# Altium PCB MODULE_4x100_RJ45_V1.0.PcbDoc (part 2 of 2) (continued)
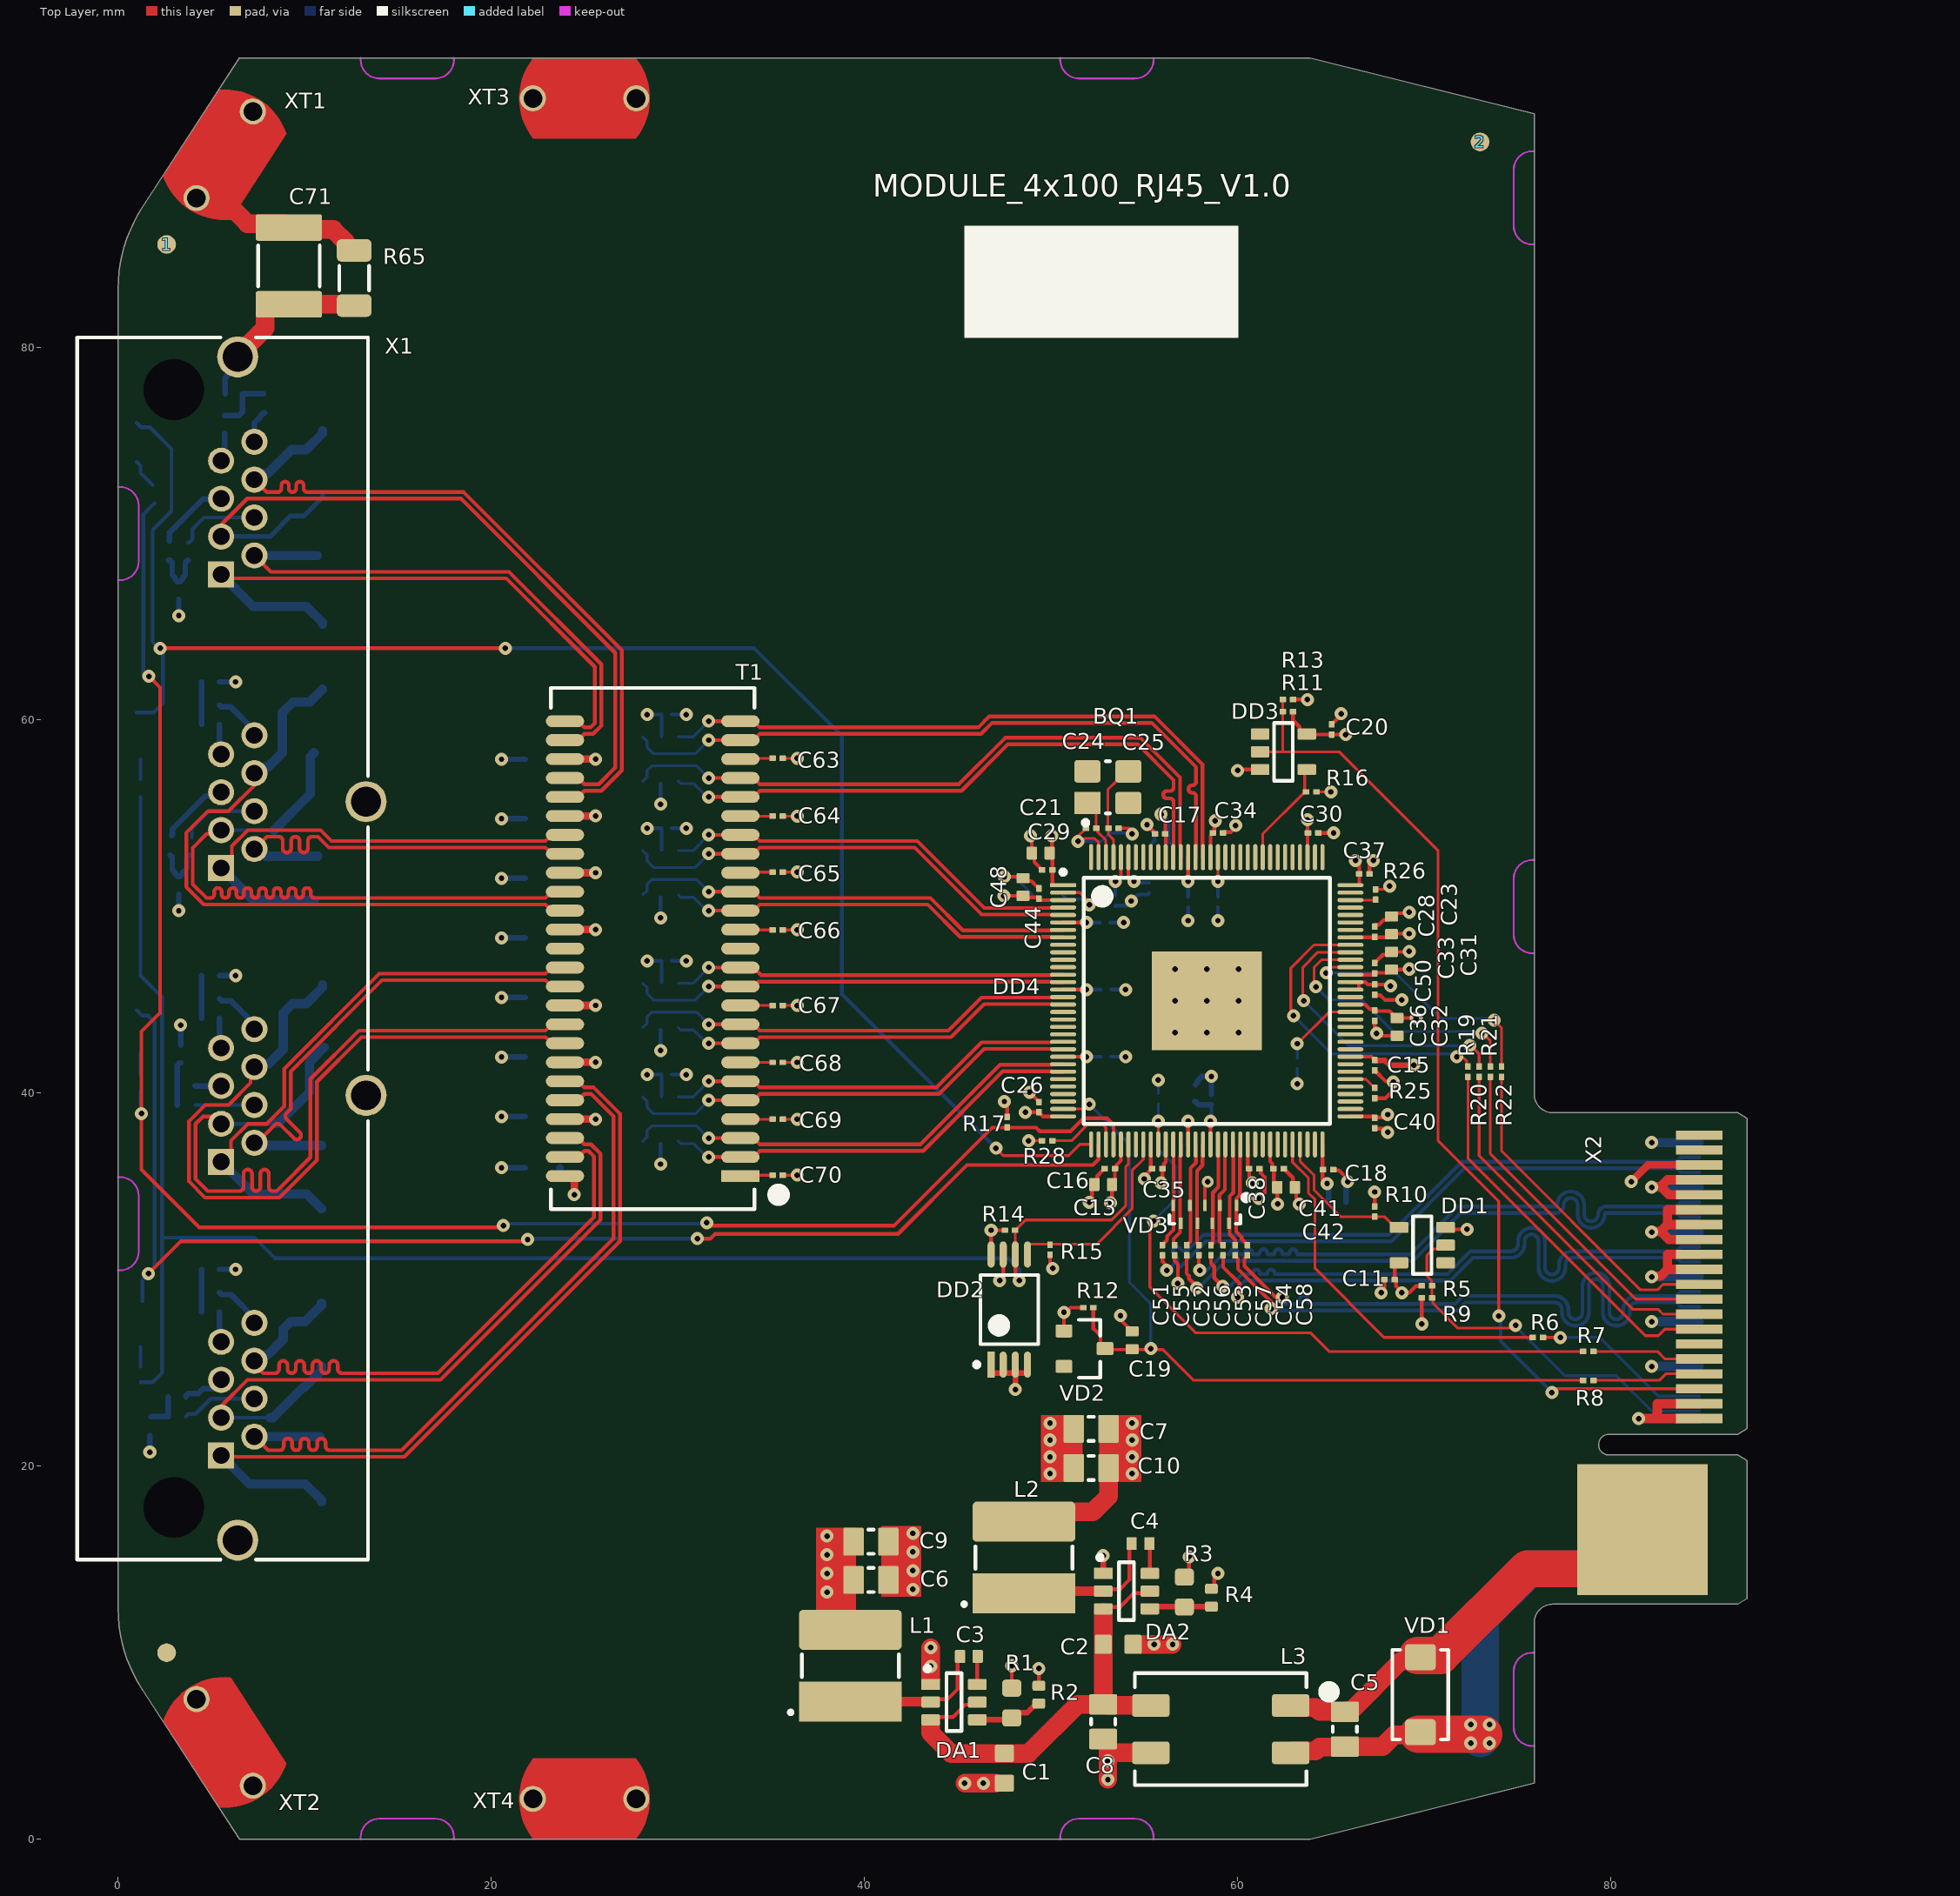
[diagram p0: Top Layer view]
## Nets (pads, with @x,y where several pads share a name; then routed paths per layer and width w, separated by ;. In a path a pad name is that pad's centre, name@x,y a point inside that pad or via, vN(x,y) a via of type N, cw(c..) or ccw(c..) an arc to the next point about the centre after c; other vN are vias at no path point) (continued)
  Bottom Layer w0.15: VD4.4@28.125,59.096 28.35,58.871 28.35,58.546 28.7,58.196 30.928,58.196 v1(31.658,58.926)
PORT0_TX_P: DD4.113 T1.25 VD4.6 | length 34.9
  Top Layer w0.199: v1(31.658,59.942) T1.25@33.35,59.942 34.058,59.942 34.392,59.608 46.108,59.608 46.7,60.2 55.542,60.2 58.124,57.618 58.124,53.82 58.124,53.272 58.15,53.246 DD4.113@58.15,52.65
  Bottom Layer w0.15: VD4.6@30.025,59.096 30.812,59.096 v1(31.658,59.942)
PORT1_RD_N: T1.30 VD9.1 X1.A6 | length 40.1
  Top Layer w0.199: X1.A6@7.301,72.89 7.969,72.222 8.55,72.222 ccw(c8.55,72.421) 8.749,72.421 8.749,72.583 cw(c8.948,72.583) 8.948,72.782 cw(c8.948,72.583) 9.147,72.583 9.147,72.421 ccw(c9.346,72.421) 9.346,72.222 ccw(c9.346,72.421) 9.545,72.421 9.545,72.583 cw(c9.744,72.583) 9.744,72.782 cw(c9.744,72.583) 9.943,72.583 9.943,72.421 ccw(c10.142,72.421) 10.142,72.222 10.341,72.222 10.54,72.222 10.938,72.222 18.52,72.222 26.998,63.744 26.998,57.306 25.904,56.212 25.157,56.212 ; T1.30@23.95,55.878 24.658,55.878 24.992,56.212 ; 24.992,56.212 25.157,56.212 ; 24.992,56.212 25.157,56.212
  Bottom Layer w0.5: X1.A6@7.301,72.89 7.545,72.89 7.876,73.221 8.021,73.221 9.3,74.5 10.077,74.5 10.95,75.373 VD9.1@10.95,75.5
PORT1_RD_P: T1.29 VD9.2 X1.A3 | length 41.8
  Top Layer w0.199: X1.A3@5.55,69.65 5.55,70.5 6.924,71.874 18.376,71.874 26.65,63.6 26.65,57.45 25.76,56.56 25.301,56.56 24.992,56.56 24.658,56.894 T1.29@23.95,56.894
  Bottom Layer w0.25: X1.A3@5.521,69.842 8.142,69.842 9.25,70.95 9.962,70.95 10.95,71.938 VD9.2@10.95,72.1
PORT1_RX_N: DD4.8 T1.15 VD5.1 | length 21.8
  Top Layer w0.199: v1(31.658,49.782) T1.15@33.35,49.782 34.058,49.782 34.392,50.116 43.392,50.116 45.132,48.376 49.474,48.376 50.028,48.376 50.054,48.35 DD4.8@50.65,48.35
  Bottom Layer w0.15: VD5.1@30.025,50.628 30.153,50.5 30.85,50.5 v1@31.613,49.737
PORT1_RX_P: DD4.7 T1.16 VD5.3 | length 24.2
  Top Layer w0.199: v1(31.658,50.798) T1.16@33.35,50.798 34.058,50.798 34.392,50.464 43.536,50.464 45.276,48.724 49.33,48.724 50.028,48.724 50.054,48.75 DD4.7@50.65,48.75
  Bottom Layer w0.15: VD5.3@28.125,50.628 28.35,50.853 28.35,51.2 28.6,51.45 31.006,51.45 v1(31.658,50.798)
PORT1_TD_N: T1.27 VD8.1 X1.A2 | length 29.9
  Top Layer w0.199: X1.A2@7.301,68.826 8.179,67.948 20.944,67.948 25.898,62.994 25.898,59.698 25.46,59.26 24.992,59.26 24.658,58.926 T1.27@23.95,58.926
  Bottom Layer w0.5: X1.A2@7.301,68.826 VD8.1@10.674,68.826
PORT1_TD_P: T1.26 VD8.2 X1.A1 | length 33.3
  Top Layer w0.199: X1.A1@5.65,67.6 20.8,67.6 25.55,62.85 25.55,59.842 25.316,59.608 24.992,59.608 24.658,59.942 T1.26@23.95,59.942
  Bottom Layer w0.5: X1.A1@5.521,67.81 7.231,66.1 10.077,66.1 10.95,65.227 VD8.2@10.95,65.15
PORT1_TX_N: DD4.5 T1.18 VD5.4 | length 25
  Top Layer w0.199: v1(31.658,52.83) T1.18@33.35,52.83 34.058,52.83 34.392,53.164 42.694,53.164 46.282,49.576 49.449,49.576 50.028,49.576 50.054,49.55 DD4.5@50.65,49.55
  Bottom Layer w0.15: VD5.4@28.125,53 28.35,52.775 28.35,52.45 28.7,52.1 30.928,52.1 v1(31.658,52.83)
PORT1_TX_P: DD4.4 T1.19 VD5.6 | length 22.6
  Top Layer w0.199: v1(31.658,53.846) T1.19@33.35,53.846 34.058,53.846 34.392,53.512 42.838,53.512 46.426,49.924 49.305,49.924 50.028,49.924 50.054,49.95 DD4.4@50.65,49.95
  Bottom Layer w0.15: VD5.6@30.025,53 30.812,53 v1(31.658,53.846)
PORT2_RD_N: T1.36 VD11.1 X1.B6 | length 35.8
  Top Layer w0.199: X1.B6@7.301,57.15 7.301,56.501 5.918,55.118 4.818,55.118 3.652,53.952 3.652,51.056 4.592,50.116 22.908,50.116 23.242,49.782 T1.36@23.95,49.782
  Bottom Layer w0.5: X1.B6@7.301,57.15 7.545,57.15 7.871,57.476 8.026,57.476 8.8,58.25 8.8,60.4 9.368,60.968 10.268,60.968 VD11.1@10.95,61.65
PORT2_RD_P: T1.35 VD11.2 X1.B3 | length 36.9
  Top Layer w0.199: X1.B3@5.3,53.9 4.75,53.9 4,53.15 4,51.2 4.736,50.464 4.95,50.464 ccw(c4.95,50.663) 5.149,50.663 5.149,50.802 cw(c5.348,50.802) 5.348,51.001 cw(c5.348,50.802) 5.547,50.802 5.547,50.663 ccw(c5.746,50.663) 5.746,50.464 ccw(c5.746,50.663) 5.945,50.663 5.945,50.802 cw(c6.144,50.802) 6.144,51.001 cw(c6.144,50.802) 6.343,50.802 6.343,50.663 ccw(c6.542,50.663) 6.542,50.464 ccw(c6.542,50.663) 6.741,50.663 6.741,50.802 cw(c6.94,50.802) 6.94,51.001 cw(c6.94,50.802) 7.139,50.802 7.139,50.663 ccw(c7.338,50.663) 7.338,50.464 ccw(c7.338,50.663) 7.537,50.663 7.537,50.802 cw(c7.736,50.802) 7.736,51.001 cw(c7.736,50.802) 7.935,50.802 7.935,50.663 ccw(c8.134,50.663) 8.134,50.464 ccw(c8.134,50.663) 8.333,50.663 8.333,50.802 cw(c8.532,50.802) 8.532,51.001 cw(c8.532,50.802) 8.731,50.802 8.731,50.663 ccw(c8.93,50.663) 8.93,50.464 ccw(c8.93,50.663) 9.129,50.663 9.129,50.802 cw(c9.328,50.802) 9.328,51.001 cw(c9.328,50.802) 9.527,50.802 9.527,50.663 ccw(c9.726,50.663) 9.726,50.464 ccw(c9.726,50.663) 9.925,50.663 9.925,50.802 cw(c10.124,50.802) 10.124,51.001 cw(c10.124,50.802) 10.323,50.802 10.323,50.663 ccw(c10.522,50.663) 10.522,50.464 10.7,50.464 22.908,50.464 23.242,50.798 T1.35@23.95,50.798
  Bottom Layer w0.2: X1.B3@5.521,54.102 8.352,54.102
  Bottom Layer w0.5: 8.352,54.102 10.3,56.05 10.3,58.05 VD11.2@10.5,58.25
PORT2_RX_N: DD4.17 T1.8 VD6.1 | length 21.8
  Top Layer w0.199: v1(31.658,42.67) T1.8@33.35,42.67 34.058,42.67 34.392,43.004 44.646,43.004 46.418,44.776 49.349,44.776 50.028,44.776 50.054,44.75 DD4.17@50.65,44.75
  Bottom Layer w0.15: VD6.1@30.025,43.516 30.153,43.388 30.85,43.388 v1@31.613,42.625
PORT2_RX_P: DD4.16 T1.9 VD6.3 | length 24.2
  Top Layer w0.199: v1(31.658,43.686) T1.9@33.35,43.686 34.058,43.686 34.392,43.352 44.502,43.352 46.274,45.124 49.205,45.124 50.028,45.124 50.054,45.15 DD4.16@50.65,45.15
  Bottom Layer w0.15: VD6.3@28.125,43.516 28.35,43.741 28.35,44.088 28.6,44.338 31.006,44.338 v1(31.658,43.686)
PORT2_TD_N: T1.33 VD10.1 X1.B2 | length 23.5
  Top Layer w0.199: X1.B2@7.301,53.086 7.969,53.754 8.15,53.754 8.374,53.754 8.599,53.754 cw(c8.599,53.53) 8.823,53.53 8.823,53.124 ccw(c9.048,53.124) 9.048,52.9 ccw(c9.048,53.124) 9.272,53.124 9.272,53.53 cw(c9.497,53.53) 9.497,53.754 cw(c9.497,53.53) 9.721,53.53 9.721,53.124 ccw(c9.946,53.124) 9.946,52.9 ccw(c9.946,53.124) 10.17,53.124 10.17,53.53 cw(c10.395,53.53) 10.395,53.754 10.6,53.754 10.704,53.754 11.294,53.164 22.908,53.164 23.242,52.83 T1.33@23.95,52.83
  Bottom Layer w0.5: X1.B2@7.301,53.086 7.545,53.086 7.931,52.7 VD10.1@10.7,52.7
PORT2_TD_P: T1.32 VD10.2 X1.B1 | length 25.6
  Top Layer w0.199: X1.B1@6.1,51.9 6.1,53.25 6.952,54.102 10.848,54.102 11.438,53.512 22.908,53.512 23.242,53.846 T1.32@23.95,53.846
  Bottom Layer w0.5: X1.B1@5.521,52.07 7.241,50.35 VD10.2@10.5,50.35
PORT2_TX_N: DD4.14 T1.11 VD6.4 | length 23.5
  Top Layer w0.199: v1(31.658,45.718) T1.11@33.35,45.718 34.058,45.718 34.316,45.976 49.349,45.976 50.028,45.976 50.054,45.95 DD4.14@50.65,45.95
  Bottom Layer w0.15: VD6.4@28.125,45.888 28.35,45.663 28.35,45.338 28.7,44.988 30.928,44.988 v1(31.658,45.718)
PORT2_TX_P: DD4.13 T1.12 VD6.6 | length 21.2
  Top Layer w0.199: v1(31.658,46.734) T1.12@33.35,46.734 34.058,46.734 34.468,46.324 47.418,46.324 49.205,46.324 50.028,46.324 50.054,46.35 DD4.13@50.65,46.35
  Bottom Layer w0.15: VD6.6@30.025,45.888 30.812,45.888 v1(31.658,46.734)
PORT3_RD_N: T1.43 VD13.1 X1.C6 | length 41.6
  Top Layer w0.199: X1.C6@7.1,41.4 7.1,40.55 5.918,39.368 4.676,39.368 3.802,38.494 3.802,35.256 4.656,34.402 8.644,34.402 10.65,36.408 10.65,40.608 13.046,43.004 22.908,43.004 23.242,42.67 T1.43@23.95,42.67
  Bottom Layer w0.199: X1.C6@7.301,41.399 X1.C6@7.301,41.4
  Bottom Layer w0.5: X1.C6@7.301,41.4 7.474,41.572 8.072,41.572 8.85,42.35 8.85,44.3 9.35,44.8 10.077,44.8 10.95,45.673 VD13.1@10.95,45.8
PORT3_RD_P: T1.42 VD13.2 X1.C3 | length 42.8
  Top Layer w0.199: X1.C3@5.6,38.75 4.55,38.75 4.15,38.35 4.15,35.4 4.8,34.75 6.5,34.75 ccw(c6.5,34.974) 6.724,34.974 6.724,35.676 cw(c6.949,35.676) 6.949,35.901 cw(c6.949,35.676) 7.173,35.676 7.173,34.975 ccw(c7.398,34.975) 7.398,34.75 ccw(c7.398,34.974) 7.622,34.974 7.622,35.676 cw(c7.847,35.676) 7.847,35.901 cw(c7.847,35.676) 8.071,35.676 8.071,34.975 ccw(c8.296,34.975) 8.296,34.75 8.5,34.75 8.659,34.909 8.675,34.925 10.302,36.552 10.302,40.752 12.902,43.352 22.908,43.352 23.242,43.686 T1.42@23.95,43.686
  Bottom Layer w0.2: X1.C3@5.521,38.352 8.284,38.352
  Bottom Layer w0.5: 8.3,38.368 8.568,38.368 10.25,40.05 10.25,41.65 VD13.2@11.05,42.45
PORT3_RX_N: DD4.26 T1.2 VD7.1 | length 22.9
  Top Layer w0.199: v1(31.658,36.574) T1.2@33.35,36.574 34.058,36.574 34.392,36.908 43.15,36.908 47.418,41.176 49.449,41.176 50.028,41.176 50.054,41.15 DD4.26@50.65,41.15
  Bottom Layer w0.15: VD7.1@30.025,37.42 30.153,37.292 30.85,37.292 v1@31.613,36.529
PORT3_RX_P: DD4.25 T1.3 VD7.3 | length 25.3
  Top Layer w0.199: v1(31.658,37.59) T1.3@33.35,37.59 34.058,37.59 34.392,37.256 43.006,37.256 47.274,41.524 49.305,41.524 50.028,41.524 50.054,41.55 DD4.25@50.65,41.55
  Bottom Layer w0.15: VD7.3@28.125,37.42 28.35,37.645 28.35,37.992 28.6,38.242 31.006,38.242 v1(31.658,37.59)
PORT3_TD_N: T1.40 VD12.1 X1.C2 | length 27.9
  Top Layer w0.199: X1.C2@7.35,37.45 X1.C2@7.55,37.45 ; X1.C2@7.369,37.269 8.075,37.975 8.234,38.134 8.392,38.292 cw(c8.551,38.134) 8.71,38.292 9.422,37.58 ccw(c9.581,37.739) 9.74,37.58 ccw(c9.581,37.739) 9.74,37.898 9.027,38.61 cw(c9.186,38.769) 9.027,38.927 9.186,39.086 9.25,39.15 9.25,41.158 14.144,46.052 22.274,46.052 22.908,46.052 23.242,45.718 T1.40@23.95,45.718
  Bottom Layer w0.5: X1.C2@7.301,37.336 7.437,37.2 VD12.1@10.9,37.2
PORT3_TD_P: T1.39 VD12.2 X1.C1 | length 30.2
  Top Layer w0.199: X1.C1@6.05,36.55 6.05,37.45 6.95,38.35 7.958,38.35 8.902,39.294 8.902,41.302 14,46.4 22.13,46.4 22.908,46.4 23.242,46.734 T1.39@23.95,46.734
  Bottom Layer w0.5: X1.C1@5.521,36.32 7.241,34.6 10.1,34.6 VD12.2@10.9,33.8
PORT3_TX_N: DD4.23 T1.5 VD7.4 | length 24.5
  Top Layer w0.199: v1(31.658,39.622) T1.5@33.35,39.622 34.058,39.622 34.392,39.956 43.998,39.956 46.418,42.376 49.374,42.376 50.028,42.376 50.054,42.35 DD4.23@50.65,42.35
  Bottom Layer w0.15: VD7.4@28.125,39.792 28.35,39.567 28.35,39.242 28.7,38.892 30.928,38.892 v1(31.658,39.622)
PORT3_TX_P: DD4.22 T1.6 VD7.6 | length 22.1
  Top Layer w0.199: v1(31.658,40.638) T1.6@33.35,40.638 34.058,40.638 34.392,40.304 43.854,40.304 46.274,42.724 49.23,42.724 50.028,42.724 50.054,42.75 DD4.22@50.65,42.75
  Bottom Layer w0.15: VD7.6@30.025,39.792 30.812,39.792 v1(31.658,40.638)
PORT4_RD_N: T1.49 VD15.1 X1.D6 | length 36.2
  Top Layer w0.199: X1.D6@7.2,25.55 7.768,24.982 8.4,24.982 ccw(c8.4,25.206) 8.624,25.206 8.624,25.426 cw(c8.849,25.426) 8.849,25.651 cw(c8.849,25.426) 9.073,25.426 9.073,25.207 ccw(c9.298,25.207) 9.298,24.982 ccw(c9.298,25.206) 9.522,25.206 9.522,25.426 cw(c9.747,25.426) 9.747,25.651 cw(c9.747,25.426) 9.971,25.426 9.971,25.207 ccw(c10.196,25.207) 10.196,24.982 ccw(c10.196,25.206) 10.42,25.206 10.42,25.426 cw(c10.645,25.426) 10.645,25.651 cw(c10.645,25.426) 10.869,25.426 10.869,25.207 ccw(c11.094,25.207) 11.094,24.982 ccw(c11.094,25.206) 11.318,25.206 11.318,25.426 cw(c11.543,25.426) 11.543,25.651 cw(c11.543,25.426) 11.767,25.426 11.767,25.207 ccw(c11.992,25.207) 11.992,24.982 12.216,24.982 12.65,24.982 17.132,24.982 25.502,33.352 25.502,36.606 25.2,36.908 24.992,36.908 24.658,36.574 T1.49@23.95,36.574
  Bottom Layer w0.5: X1.D6@7.301,25.65 7.545,25.65 7.871,25.976 8.026,25.976 8.85,26.8 8.85,27.35 9.25,27.75 10.027,27.75 10.9,28.623 VD15.1@10.9,28.75
PORT4_RD_P: T1.48 VD15.2 X1.D3 | length 37.5
  Top Layer w0.199: X1.D3@5.521,22.602 5.521,23.221 6.934,24.634 17.276,24.634 25.85,33.208 25.85,36.75 25.344,37.256 24.992,37.256 24.658,37.59 T1.48@23.95,37.59
  Bottom Layer w0.2: X1.D3@5.521,22.602 8.148,22.602
  Bottom Layer w0.5: 8.148,22.602 8.302,22.602 9.944,24.244 10.027,24.244 10.9,25.117 VD15.2@10.9,25.35
PORT4_TD_N: T1.46 VD14.1 X1.D2 | length 40.2
  Top Layer w0.199: X1.D2@7.301,21.586 8.039,20.848 8.65,20.848 ccw(c8.65,21.072) 8.875,21.072 8.875,21.262 cw(c9.099,21.262) 9.099,21.486 cw(c9.099,21.262) 9.323,21.262 9.323,21.072 ccw(c9.548,21.072) 9.548,20.848 ccw(c9.548,21.072) 9.772,21.072 9.772,21.262 cw(c9.997,21.262) 9.997,21.486 cw(c9.997,21.262) 10.221,21.262 10.221,21.072 ccw(c10.446,21.072) 10.446,20.848 ccw(c10.446,21.072) 10.67,21.072 10.67,21.262 cw(c10.895,21.262) 10.895,21.486 cw(c10.895,21.262) 11.119,21.262 11.119,21.072 ccw(c11.344,21.072) 11.344,20.848 11.568,20.848 11.8,20.848 15.198,20.848 26.55,32.2 26.55,38.758 25.352,39.956 25.157,39.956 24.992,39.956 24.658,39.622 T1.46@23.95,39.622
  Bottom Layer w0.5: X1.D2@7.301,21.586 VD14.1@10.814,21.586
PORT4_TD_P: T1.45 VD14.2 X1.D1 | length 43.6
  Top Layer w0.199: X1.D1@5.05,20.5 15.342,20.5 26.898,32.056 26.898,38.902 25.496,40.304 25.301,40.304 24.992,40.304 24.658,40.638 T1.45@23.95,40.638
  Bottom Layer w0.5: X1.D1@5.521,20.57 7.041,19.05 10.027,19.05 10.9,18.177 VD14.2@10.9,18.1
PORT4_TXRX_A_N: C55.1 DD4.45 VD3.6 | length 5.6
  Top Layer w0.199: C55.1@56.625,31.85 56.575,31.901 56.575,32.011 56.571,32.014 56.571,32.179 56.924,32.532 56.924,36.628 56.95,36.654 DD4.45@56.95,37.25
PORT4_TXRX_A_P: C51.1 DD4.44 VD3.5 | length 5.7
  Top Layer w0.199: C51.1@55.975,31.85 55.975,31.875 56.223,32.123 56.223,32.323 56.576,32.676 56.576,36.628 56.55,36.654 DD4.44@56.55,37.25
PORT4_TXRX_B_N: C56.1 DD4.48 VD3.7 | length 5.6
  Top Layer w0.199: C56.1@57.925,31.85 57.825,31.95 57.825,35.833 58.124,36.132 58.124,36.628 58.15,36.654 DD4.48@58.15,37.25
PORT4_TXRX_B_P: C52.1 DD4.47 VD3.4 | length 5.6
  Top Layer w0.199: C52.1@57.275,31.85 57.477,32.052 57.477,35.977 57.776,36.276 57.776,36.628 57.75,36.654 DD4.47@57.75,37.25
PORT4_TXRX_C_N: C57.1 DD4.51 VD3.2 | length 5.6
  Top Layer w0.199: C57.1@59.225,31.85 59.025,32.05 59.025,34.525 59.324,34.824 59.324,36.628 59.35,36.654 DD4.51@59.35,37.25
PORT4_TXRX_C_P: C53.1 DD4.50 VD3.8 | length 5.6
  Top Layer w0.199: C53.1@58.575,31.85 58.677,31.952 58.677,34.669 58.976,34.968 58.976,36.628 58.95,36.654 DD4.50@58.95,37.25
PORT4_TXRX_D_N: C58.1 DD4.53 VD3.1 | length 5.7
  Top Layer w0.199: DD4.53@60.15,37.25 60.15,36.654 60.124,36.628 60.124,34.524 59.925,34.325 59.925,32.575 60.219,32.281 60.219,32.181 60.525,31.875 C58.1@60.525,31.85
PORT4_TXRX_D_P: C54.1 DD4.52 VD3.9 | length 5.6
  Top Layer w0.199: DD4.52@59.75,37.25 59.75,36.654 59.776,36.628 59.776,34.668 59.577,34.469 59.577,32.431 59.871,32.137 59.871,31.854 C54.1@59.875,31.85
RESET: R8.2 X2.7 | length 5.8
  Top Layer w0.15: R8.2@79.075,24.6 82.6,24.6 82.95,24.95 X2.7@84.75,24.95
SHIELD: C71.2 R65.1 XT1.1 XT2.1 XT3.1 XT4.1 | length 8.6
  Top Layer w1: 5.9,88.25 5.9,87.65 6.93,86.62 8.94,86.62 C71.2@9.15,86.41 9.26,86.3 11.53,86.3 12.22,85.61 12.22,85.28 12.32,85.18 R65.1@12.65,85.18
SW_INT: DD4.42 R7.1 R18.1 | length 36.7
  Top Layer w0.15: v1(55.5,33.15) 55.3,32.95 55.3,29.6 57.75,27.15 63.9,27.15 64.9,26.15 R7.1@78.525,26.15 ; DD4.42@55.75,37.25 v1(55.75,38.5)
  Bottom Layer w0.15: v1(55.5,33.15) 56.65,34.3 56.65,36.1 55.75,37 v1(55.75,38.5) R18.1@55.75,39.425
SWITCH_ADDR1: R19.1 X2.13 | length 20.9
  Top Layer w0.15: R19.1@72.35,40.875 72.35,36.5 81.85,27 82.55,27 82.9,27.35 X2.13@84.75,27.35
SWITCH_ADDR2: R20.1 X2.15 | length 19.5
  Top Layer w0.15: R20.1@72.95,40.875 72.95,36.65 81.2,28.4 82.55,28.4 82.8,28.15 X2.15@84.75,28.15
SWITCH_ADDR3: R21.1 X2.17 | length 18.6
  Top Layer w0.15: R21.1@73.55,40.875 73.55,36.75 81.35,28.95 X2.17@84.75,28.95
SWITCH_ADDR4: R22.1 X2.19 | length 17.7
  Top Layer w0.15: R22.1@74.15,40.825 74.15,36.9 81.6,29.45 82.5,29.45 82.8,29.75 X2.19@84.75,29.75
SYNC: DD3.2 R11.1 R13.1 X2.5 | length 54.1
  Top Layer w0.15: DD3.2@61.21,58.3 65.45,58.3 70.75,53 70.75,37.45 74,34.2 v1(74,28.05) ; 62.425,58.325 R11.1@62.425,60.45 R13.1@62.425,61.1 ; v1@76.85,24.15 X2.5@84.75,24.15
  Bottom Layer w0.2: v1@74.1,28.2 74.1,26.7 v1(76.85,23.95)
SYS_RESET: C19.2 DD4.31 R8.1 R12.1 VD2.3 | length 44.9
  Top Layer w0.15: DD4.31@50.65,39.15 51.8,39.15 v1(52.05,39.4) ; VD2.3@52.7,26.25 52.896,26.25 54.35,26.25 56,26.25 57.65,24.6 65.55,24.6 R8.1@78.525,24.6
  Top Layer w0.2: R12.1@52.275,28.5 52.275,27.375 52.65,27 52.65,26.546 VD2.3@52.896,26.3
  Bottom Layer w0.15: v1(52.05,39.4) 54.2,37.25 54.2,29.85 55.35,28.7 v1(55.35,26.3)
VIN+: C5.2 L3.2 VD1.2 X2.P1 | length 23.2
  Top Layer w1: L3.2@62.85,7.17 62.95,7.07 64.18,7.07 64.399,6.851 65.729,6.851 C5.2@65.75,6.83 65.8,6.88 66.08,6.88 68.765,9.565 69.6,9.565 VD1.2@69.8,9.765
  Top Layer w2: VD1.2@69.65,9.85 70.885,9.85 75.535,14.5 79.6,14.5 X2.P1@81.7,16.6
VIN-: C5.1 L3.1 VD1.1 X2.P2 | length 28
  Top Layer w1: L3.1@62.85,4.63 62.95,4.73 64.18,4.73 64.399,4.949 65.729,4.949 C5.1@65.75,4.97 67.77,4.97 68.398,5.598 69.663,5.598 69.7,5.635 VD1.1@69.8,5.735
  Top Layer w2: VD1.1@69.7,5.635 73.185,5.635
  Bottom Layer w2: 73,5.4 73,11.9 75.6,14.5 79.6,14.5 X2.P2@81.7,16.6
  other v1: 72.5,5.15 73.5,5.15 72.5,6.15 73.5,6.15
pads on no net: 1.FM 2.FM 3.FM 4.FM 5.FM ?.FM BQ1.2 BQ1.4 DD1.1 DD3.1 DD4.9 DD4.10 DD4.11 DD4.12 DD4.18 DD4.19 DD4.20 DD4.21 DD4.27 DD4.28 DD4.29 DD4.30 DD4.39 DD4.55 DD4.56 DD4.58 DD4.59 DD4.62 DD4.63 DD4.66 DD4.67 DD4.68 DD4.69 DD4.71 DD4.72 DD4.74 DD4.75 DD4.76 DD4.77 DD4.78 DD4.81 DD4.90 DD4.91 DD4.92 DD4.93 DD4.95 DD4.97 DD4.98 DD4.100 DD4.101 DD4.102 DD4.103 DD4.104 DD4.106 DD4.107 DD4.108 DD4.109 DD4.110 DD4.119 DD4.120 DD4.121 DD4.122 DD4.128 T1.13 T1.38 VD2.2 X1.0 X2.2 X2.8 X2.11 X2.12 X2.14 X2.37 X2.39 XT1.0 XT2.0 XT3.0 XT4.0

## Polygon pours and split planes (outlines as drawn)
eSHIELD on Int1 (GND) (split plane): 28.948,90.704 27.422,89.178 27.382,89.126 27.356,89.065 27.348,89 27.348,6.6 27.356,6.535 27.382,6.474 27.422,6.422 29.298,4.546 29.298,0.51 6.777,0.51 1.719,8.3 1.717,8.302 1.715,8.305 1.714,8.307 1.574,8.527 1.393,8.847 1.228,9.176 1.079,9.512 0.946,9.855 0.831,10.204 0.733,10.558 0.652,10.917 0.589,11.28 0.544,11.645 0.517,12.011 0.509,12.361 0.51,12.379 0.51,83.121 0.509,83.139 0.517,83.489 0.544,83.855 0.589,84.22 0.652,84.583 0.733,84.942 0.831,85.296 0.946,85.645 1.079,85.988 1.228,86.324 1.393,86.653 1.574,86.973 1.714,87.193 1.715,87.195 1.717,87.198 1.719,87.2 6.777,94.99 28.948,94.99
GND on Int1 (GND) (split plane): 75.39,92.101 75.39,39.95 75.39,39.948 75.399,39.781 75.427,39.614 75.474,39.451 75.539,39.295 75.621,39.146 75.719,39.008 75.832,38.882 75.958,38.769 76.096,38.671 76.245,38.589 76.401,38.524 76.564,38.477 76.731,38.449 76.857,38.442 76.864,38.441 76.874,38.441 76.898,38.44 76.9,38.44 86.659,38.44 86.79,38.361 86.79,22.289 86.659,22.21 79.9,22.21 79.894,22.21 79.762,22.201 79.626,22.174 79.494,22.13 79.37,22.068 79.255,21.991 79.15,21.9 79.059,21.795 78.982,21.68 78.92,21.556 78.876,21.424 78.849,21.288 78.84,21.15 78.849,21.012 78.876,20.876 78.92,20.744 78.982,20.62 79.059,20.505 79.15,20.4 79.255,20.309 79.37,20.232 79.494,20.17 79.626,20.126 79.762,20.099 79.894,20.09 79.9,20.09 86.659,20.09 86.79,20.011 86.79,13.189 86.659,13.11 76.9,13.11 76.898,13.11 76.731,13.101 76.564,13.073 76.401,13.026 76.245,12.961 76.096,12.879 75.958,12.781 75.832,12.668 75.719,12.542 75.621,12.404 75.539,12.255 75.474,12.099 75.427,11.936 75.399,11.769 75.39,11.602 75.39,11.6 75.39,3.399 63.837,0.51 29.802,0.51 29.802,4.65 29.794,4.715 29.768,4.776 29.728,4.828 27.852,6.704 27.852,88.896 29.378,90.422 29.418,90.474 29.444,90.535 29.452,90.6 29.452,94.99 63.837,94.99
eSHIELD on Int2 (PWR) (split plane): 28.948,90.704 27.422,89.178 27.382,89.126 27.356,89.065 27.348,89 27.348,6.6 27.356,6.535 27.382,6.474 27.422,6.422 29.298,4.546 29.298,0.51 6.777,0.51 1.719,8.3 1.717,8.302 1.715,8.305 1.714,8.307 1.574,8.527 1.393,8.847 1.228,9.176 1.079,9.512 0.946,9.855 0.831,10.204 0.733,10.558 0.652,10.917 0.589,11.28 0.544,11.645 0.517,12.011 0.509,12.361 0.51,12.379 0.51,83.121 0.509,83.139 0.517,83.489 0.544,83.855 0.589,84.22 0.652,84.583 0.733,84.942 0.831,85.296 0.946,85.645 1.079,85.988 1.228,86.324 1.393,86.653 1.574,86.973 1.714,87.193 1.715,87.195 1.717,87.198 1.719,87.2 6.777,94.99 28.948,94.99
+3V3 on Int2 (PWR) (split plane): 75.39,92.101 75.39,60.002 65.45,60.002 65.411,59.994 65.378,59.972 65.028,59.622 65.006,59.589 64.998,59.55 64.998,58.5 65.006,58.461 65.028,58.428 74.198,49.258 74.198,32.942 71.208,29.952 68.55,29.952 68.511,29.944 68.478,29.922 68.128,29.572 68.106,29.539 68.098,29.5 68.098,28.95 68.106,28.911 68.128,28.878 68.378,28.628 68.411,28.606 68.45,28.598 72.95,28.598 72.989,28.606 73.022,28.628 78.142,33.748 86.79,33.748 86.79,22.289 86.659,22.21 79.9,22.21 79.894,22.21 79.762,22.201 79.626,22.174 79.494,22.13 79.37,22.068 79.255,21.991 79.15,21.9 79.059,21.795 78.982,21.68 78.92,21.556 78.876,21.424 78.849,21.288 78.84,21.15 78.849,21.012 78.876,20.876 78.92,20.744 78.982,20.62 79.059,20.505 79.15,20.4 79.255,20.309 79.37,20.232 79.494,20.17 79.626,20.126 79.762,20.099 79.894,20.09 79.9,20.09 86.659,20.09 86.79,20.011 86.79,13.189 86.659,13.11 76.9,13.11 76.898,13.11 76.731,13.101 76.564,13.073 76.401,13.026 76.245,12.961 76.096,12.879 75.958,12.781 75.832,12.668 75.719,12.542 75.621,12.404 75.539,12.255 75.474,12.099 75.427,11.936 75.399,11.769 75.39,11.602 75.39,11.6 75.39,3.399 63.837,0.51 29.802,0.51 29.802,4.65 29.794,4.715 29.768,4.776 29.728,4.828 27.852,6.704 27.852,88.896 29.378,90.422 29.418,90.474 29.444,90.535 29.452,90.6 29.452,94.99 63.837,94.99
+1V8 on Int2 (PWR) (split plane): 53.898,51.05 53.906,51.011 53.928,50.978 54.228,50.678 54.261,50.656 54.3,50.648 55.8,50.648 55.839,50.656 55.872,50.678 56.942,51.748 57.758,51.748 57.998,51.508 57.998,47.742 57.428,47.172 57.406,47.139 57.398,47.1 57.398,43.3 57.406,43.261 57.428,43.228 61.098,39.558 61.098,37.842 59.158,35.902 55.8,35.902 55.761,35.894 55.728,35.872 55.378,35.522 55.356,35.489 55.348,35.45 55.348,34.9 55.356,34.861 55.378,34.828 55.978,34.228 56.011,34.206 56.05,34.198 60.55,34.198 60.589,34.206 60.622,34.228 64.692,38.298 68.3,38.298 68.339,38.306 68.372,38.328 68.672,38.628 68.694,38.661 68.702,38.7 68.702,39.5 68.694,39.539 68.672,39.572 66.952,41.292 66.952,45.208 67.792,46.048 69.598,46.048 69.598,44.992 68.928,44.322 68.906,44.289 68.898,44.25 68.898,41.2 68.906,41.161 68.928,41.128 69.898,40.158 69.898,37.592 68.908,36.602 65.1,36.602 65.061,36.594 65.028,36.572 64.278,35.822 64.256,35.789 64.248,35.75 64.248,33.542 63.808,33.102 57.65,33.102 57.611,33.094 57.578,33.072 55.428,30.922 55.406,30.889 55.398,30.85 55.398,29 55.406,28.961 55.428,28.928 58.698,25.658 58.698,15.642 57.608,14.552 57.092,14.552 53.652,17.992 53.652,24.3 53.644,24.339 53.622,24.372 52.952,25.042 52.952,31.658 53.822,32.528 53.844,32.561 53.852,32.6 53.852,34.45 53.844,34.489 53.822,34.522 53.452,34.892 53.452,35.508 54.792,36.848 58.15,36.848 58.189,36.856 58.222,36.878 59.272,37.928 59.294,37.961 59.302,38 59.302,38.8 59.294,38.839 59.272,38.872 58.972,39.172 58.939,39.194 58.9,39.202 58.3,39.202 58.261,39.194 58.228,39.172 57.978,38.922 57.956,38.889 57.948,38.85 57.948,38.442 57.658,38.152 57.142,38.152 56.802,38.492 56.802,40.6 56.794,40.639 56.772,40.672 56.172,41.272 56.139,41.294 56.1,41.302 51.742,41.302 51.352,41.692 51.352,48.2 51.344,48.239 51.322,48.272 49.472,50.122 49.439,50.144 49.4,50.152 47.142,50.152 47.002,50.292 47.002,50.808 47.192,50.998 50.3,50.998 50.339,51.006 50.372,51.028 51.292,51.948 53.898,51.948
+1V0 on Int2 (PWR) (split plane): 63.678,52.878 63.711,52.856 63.75,52.848 66.552,52.848 66.698,52.702 66.698,48.75 66.706,48.711 66.728,48.678 68.328,47.078 68.361,47.056 68.4,47.048 69.408,47.048 69.598,46.858 69.598,46.252 67.75,46.252 67.711,46.244 67.678,46.222 66.778,45.322 66.756,45.289 66.748,45.25 66.748,41.25 66.756,41.211 66.778,41.178 68.498,39.458 68.498,38.742 68.258,38.502 64.65,38.502 64.611,38.494 64.578,38.472 60.508,34.402 56.092,34.402 55.552,34.942 55.552,35.408 55.842,35.698 59.2,35.698 59.239,35.706 59.272,35.728 61.272,37.728 61.294,37.761 61.302,37.8 61.302,39.6 61.294,39.639 61.272,39.672 57.602,43.342 57.602,47.058 58.172,47.628 58.194,47.661 58.202,47.7 58.202,51.55 58.194,51.589 58.172,51.622 57.872,51.922 57.839,51.944 57.8,51.952 56.9,51.952 56.861,51.944 56.828,51.922 55.758,50.852 54.342,50.852 54.102,51.092 54.102,52.008 57.142,55.048 61.508,55.048
+2V5_EXT on Int2 (PWR) (split plane): 75.39,39.95 75.39,39.948 75.399,39.781 75.427,39.614 75.474,39.451 75.539,39.295 75.621,39.146 75.719,39.008 75.832,38.882 75.958,38.769 76.096,38.671 76.245,38.589 76.401,38.524 76.564,38.477 76.731,38.449 76.857,38.442 76.864,38.441 76.874,38.441 76.898,38.44 76.9,38.44 86.659,38.44 86.79,38.361 86.79,33.952 78.1,33.952 78.061,33.944 78.028,33.922 72.908,28.802 68.492,28.802 68.302,28.992 68.302,29.458 68.592,29.748 71.25,29.748 71.289,29.756 71.322,29.778 74.372,32.828 74.394,32.861 74.402,32.9 74.402,49.3 74.394,49.339 74.372,49.372 65.202,58.542 65.202,59.508 65.492,59.798 75.39,59.798

## Other copper
Top Layer:
  region net +1V8: 54.85,22.75 52.613,22.75 52.613,19.15 54.85,19.15
  rectangle net GND: 49.45,19.15 51.687,22.75
  rectangle net GND: 40.9,13 43.05,16.8
  rectangle net +3V3: 37.4,10.95 39.55,16.7
Int1 (GND) (plane layer: these items are gaps in the copper):
  lines w0.5: 29.2,95.5 29.2,90.6 27.6,89 27.6,6.6 29.55,4.65 29.55,0
Int2 (PWR) (plane layer: these items are gaps in the copper):
  lines w0.2: 75.9,59.9 65.45,59.9 65.1,59.55 65.1,58.5 74.3,49.3 74.3,32.9 71.25,29.85 68.55,29.85 68.2,29.5 68.2,28.95 68.45,28.7 72.95,28.7 78.1,33.85 87.5,33.85 ; 54,52.05 51.25,52.05 50.3,51.1 47.15,51.1 46.9,50.85 46.9,50.25 47.1,50.05 49.4,50.05 51.25,48.2 51.25,41.65 51.7,41.2 56.1,41.2 56.7,40.6 56.7,38.45 57.1,38.05 57.7,38.05 58.05,38.4 58.05,38.85 58.3,39.1 58.9,39.1 59.2,38.8 59.2,38 58.15,36.95 54.75,36.95 53.35,35.55 53.35,34.85 53.75,34.45 53.75,32.6 52.85,31.7 52.85,25 53.55,24.3 53.55,17.95 57.05,14.45 57.65,14.45 58.8,15.6 58.8,25.7 55.5,29 55.5,30.85 57.65,33 63.85,33 64.35,33.5 64.35,35.75 65.1,36.5 68.95,36.5 70,37.55 70,40.2 69,41.2 69,44.25 69.7,44.95 69.7,46.15 ; 54,52.05 57.1,55.15 61.55,55.15 63.75,52.95 66.594,52.95 66.8,52.744 66.8,48.75 68.4,47.15 69.45,47.15 69.7,46.9 69.7,46.15 ; 54,52.05 54,51.05 54.3,50.75 55.8,50.75 56.9,51.85 57.8,51.85 58.1,51.55 58.1,47.7 57.5,47.1 57.5,43.3 61.2,39.6 61.2,37.8 59.2,35.8 55.8,35.8 55.45,35.45 55.45,34.9 56.05,34.3 60.55,34.3 64.65,38.4 68.3,38.4 68.6,38.7 68.6,39.5 66.85,41.25 66.85,45.25 67.75,46.15 69.7,46.15
  lines w0.5: 29.2,95.5 29.2,90.6 27.6,89 27.6,6.6 29.55,4.65 29.55,0

## Silkscreen, mask and mechanical layers (free items; w line width, h text height)
Top Overlay:
  region: 60.05,86.5 45.35,86.5 45.35,80.5 60.05,80.5
  text "MODULE_4x100_RJ45_V1.0" at 40.45,88.05 h1.2
Bottom Overlay:
  region: 61.3,87.25 46.6,87.25 46.6,81.25 61.3,81.25
  text "MODULE_4x100_RJ45_V1.0" at 66.05,88.8 h1.2
Top Environment:
  lines w0.1: -2.2,10.935 ccw(c1.8,10.935) -1.555,8.756 ; -2.2,10.935 -2.2,84.565 ; -2.2,10.935 -0.2,10.935 ; -2.2,84.565 cw(c1.8,84.565) -1.555,86.744 ; -2.2,84.565 -0.2,84.565 ; -1.555,8.756 5.806,-2.579 ; -1.555,8.756 0.123,9.846 ; -1.555,86.744 5.806,98.079 ; -1.555,86.744 0.123,85.654 ; -0.2,10.935 ccw(c1.8,10.935) 0.123,9.846 ; -0.2,10.935 -0.2,84.565 ; -0.2,84.565 cw(c1.8,84.565) 0.123,85.654 ; 0.123,9.846 7.484,-1.489 ; 0.123,85.654 7.484,96.989 ; 5.806,-2.579 ccw(c9.161,-0.4) 9.161,-4.4 ; 5.806,-2.579 7.484,-1.489 ; 5.806,98.079 cw(c9.161,95.9) 9.161,99.9 ; 5.806,98.079 7.484,96.989 ; 7.484,-1.489 ccw(c9.161,-0.4) 9.161,-2.4 ; 7.484,96.989 cw(c9.161,95.9) 9.161,97.9 ; 9.161,-4.4 14.989,-4.4 ; 9.161,-4.4 9.161,-2.4 ; 9.161,-2.4 14.989,-2.4 ; 9.161,97.9 14.989,97.9 ; 9.161,97.9 9.161,99.9 ; 9.161,99.9 14.989,99.9 ; 14.989,-4.4 19.989,-4.4 19.989,-2.4 14.989,-2.4 ; 14.989,-4.4 14.989,-2.4 ; 14.989,97.9 19.989,97.9 19.989,99.9 14.989,99.9 ; 14.989,97.9 14.989,99.9
  text "h=17,1mm" at 33.35,-5.95 h4
Bottom Environment:
  text "h=3,25mm" at 33.1,-9.85 h4
Board:
  the board outline again, w0.1

## Text inside footprints (layer, text, board x,y; h text height)
X2: Fab Notes "Chamfer 0,45mm x 30° (both sides)" at 90.622,40.271 h1 r90; Fab Notes "Фаска 0,45mm x 30° (с обеих сторон)" at 89.552,40.331 h1 r90